# Altium PCB PCB1.PcbDoc (continued)
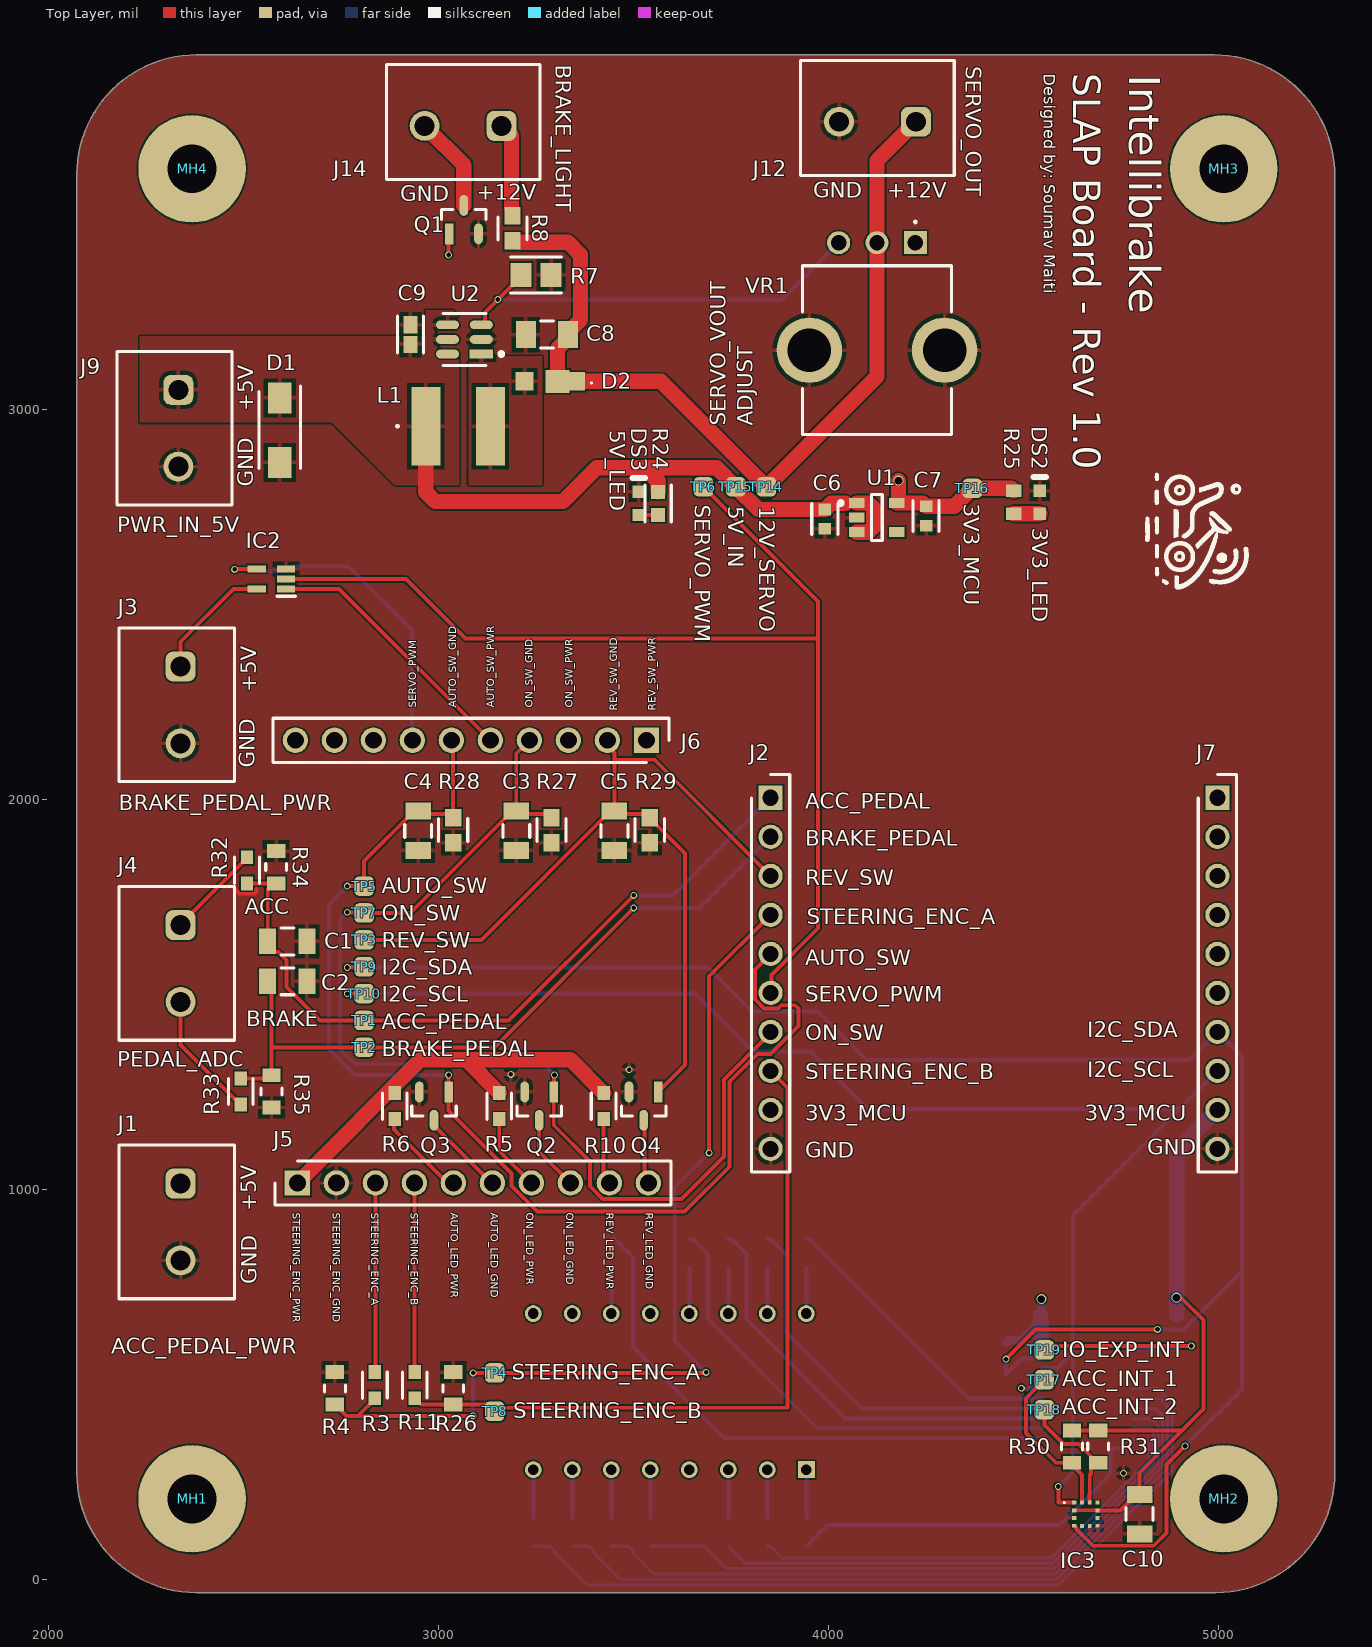
[diagram p0: Top Layer view]
## Footprints (in the part's own frame and the unit in brackets; to place one, negate y for a bottom-side part, rotate by r counter-clockwise, add the part's x,y. Pads: shape width x height; smd on the part's side, far side on the other; paste and mask are expansions set on the pad)
691137710002 [mm] "Horizontal Cable Entry with Pressure Clamp, pitch 5mm, 02p"
  rrect50% 1.95x1.95 hole 1.3: 1(-2.5,0.25)
  round 1.95 hole 1.3: 2(2.5,0.25)
  silkscreen extent -5,-3.75 5,3.75, body extent -5,-3.75 5,3.75, height 11.6
AVAG-HSMX-C190_V [mm] "SMD, 2-Leads, Body 1.6x0.8mm, Height 0.9mm"
  rect 0.8x0.8 smd: 1(-0.75,0) 2(0.75,0)
  silkscreen extent 1.65,-0.4 1.65,0.4, body extent -0.8,-0.4 0.8,0.4, height 0.9
DIOM5027X240N [mm]
  rect 2x1.55 smd: 1(-2.1,0) 2(2.1,0)
  silkscreen extent -2.88,-1.35 2.5,1.35, body extent -2.5,-1.35 2.5,1.35, height 2.4
DIPS1016W50P254L4020H725Q16N [mm]
  rect 1.1x1.1 hole 0.7: 1(0,0)
  round 1.1 hole 0.7: 2(0,-2.54) 3(0,-5.08) 4(0,-7.62) 5(0,-10.16) 6(0,-12.7) 7(0,-15.24) 8(0,-17.78) 9(10.16,-17.78) 10(10.16,-15.24) 11(10.16,-12.7) 12(10.16,-10.16) 13(10.16,-7.62) 14(10.16,-5.08) 15(10.16,-2.54) 16(10.16,0)
  silkscreen extent -1.45,-29.11 11.61,11.33, body extent -1.32,-28.99 11.48,11.21, height 7.12
FP-C1608-080-0_1-IPC_B [mil]
  rect 44.53x35.91 smd paste+0 mask+0: 1(-25.22,0) 2(25.22,0)
  silkscreen extent -47,-34 47,34, body extent -57,-28 57,28, height 10
FP-CL10-IPC_C [mil]
  rect 29.85x31.97 smd paste+0 mask+0: 1(-24.68,0) 2(24.68,0)
  silkscreen extent -40,-33 40,33, body extent -44,-22 44,22, height 10
FP-CL31-IPC_B [mil]
  rect 51.4x69.22 smd paste+0 mask+0: 1(-54.19,0) 2(54.19,0)
  silkscreen extent -17,-35 17,35, body extent -90,-44 90,44, height 10
FP-CL31-IPC_C [mil]
  rect 43.52x65.28 smd paste+0 mask+0: 1(-50.25,0) 2(50.25,0)
  silkscreen extent -17,-34 17,34, body extent -63,-31 63,31, height 55
FP-CRCW0603-e3-IPC_A [mil]
  rect 44.69x41.82 smd paste+0 mask+0: 1(-32.1,0) 2(32.1,0)
  silkscreen extent -30,-37 30,37, body extent -74,-41 74,41, height 10
FP-DBV0006A-IPC_B [mm]
  rect 1.505x0.57 smd paste+0 mask+0: 1(-1.1,0.95)
  rrect100% 1.505x0.57 smd paste+0 mask+0: 2(-1.1,0) 3(-1.1,-0.95) 4(1.1,-0.95) 5(1.1,0) 6(1.1,0.95)
  silkscreen extent -2.53,-1.7 1.4,1.7, body extent -2.1,-1.7 2.1,1.7, height 0.25
FP-RC1608-IPC_B [mil]
  rect 35.81x35.91 smd paste+0 mask+0: 1(-29.58,0) 2(29.58,0)
  silkscreen extent -47,-34 47,34, body extent -57,-28 57,28, height 10
FP-RG2012-IPC_A [mil]
  rect 53.34x61.27 smd paste+0 mask+0: 1(-38.41,0) 2(38.41,0)
  silkscreen extent -65,-46 65,46, body extent -85,-50 85,50, height 10
FP-RT0603-MFG [mm]
  rect 0.9x0.8 smd paste+0 mask+0: 1(-0.85,0) 2(0.85,0)
  silkscreen extent -0.85,-0.81 0.86,0.8, body extent -1.4,-0.55 1.4,0.55, height 0.25
FP-RT0805-MFG [mm]
  rect 0.9x1.2 smd paste+0 mask+0: 1(-1.05,0) 2(1.05,0)
  silkscreen extent -0.23,-0.67 0.23,0.67, body extent -1,-0.63 1,0.63, height 0.6
FP-SOT23-5LD-PL-1-MFG [mm]
  rect 1x0.66 smd paste+0 mask+0: 1(-1.3,0.95) 2(-1.3,0) 3(-1.3,-0.95) 4(1.3,-0.95) 5(1.3,0.95)
  silkscreen extent -2.47,-1.5 0.35,1.5, body extent -1.9,-1.6 1.9,1.6, height 0.25
FP-SOT23-IPC_B [mm]
  rect 1.355x0.562 smd paste+0 mask+0: 1(-0.925,0.95)
  rrect100% 1.355x0.562 smd paste+0 mask+0: 2(-0.925,-0.95) 3(0.925,0)
  silkscreen extent 0,-1.45 0.65,1.45, body extent -1.85,-1.7 1.85,1.7, height 0.25
HDRV10W64P0X254_1X10_2540X249X886P [mm]
  rect 1.65x1.65 hole 1.1: 1(0,0)
  round 1.65 hole 1.1: 2(-2.54,0) 3(-5.08,0) 4(-7.62,0) 5(-10.16,0) 6(-12.7,0) 7(-15.24,0) 8(-17.78,0) 9(-20.32,0) 10(-22.86,0)
  silkscreen extent -24.32,-1.44 1.46,1.44, body extent -24.13,-1.24 1.27,1.24, height 8.86
MC3479 [mm]
  rect 0.275x0.25 smd: 1(-0.762,0.75) 2(-0.762,0.25) 3(-0.762,-0.25) 4(-0.762,-0.75) 7(0.763,-0.75) 8(0.763,-0.25) 9(0.763,0.25) 10(0.763,0.75)
  rect 0.25x0.275 smd: 5(-0.25,-0.763) 6(0.25,-0.763) 11(0.25,0.762) 12(-0.25,0.762)
  silkscreen extent -1.45,0.7 -1.35,0.8, body extent -1,-1 1,1, height 0.99
"MOUNTING HOLE" [mm]
  round 7 hole 3.175: 4(0.127,0)
PMEG4010EXEX [mm]
  rect 1x1.2 smd: 1(-1.713,0)
  rect 1.15x1.2 smd: 2(1.713,0)
  rect 1.55x1.5 smd: 3(-0.437,0)
  silkscreen extent -2.7,0.05 -2.6,0.15, body extent -1.81,-0.89 1.89,0.89, height 0.9
PTV09A4030SA503 [mm]
  rect 1.5x1.5 hole 1: 1(0,0)
  round 1.5 hole 1: 2(2.5,0) 3(5,0)
  round 4.26 hole 2.84: MH1(-1.9,7) MH2(6.9,7)
  silkscreen extent -2.35,-1.4 7.35,12.5, body extent -3.22,-0.1 8.06,12.52, height 20.5
RESC1608X55X25ML10T15 [mm] "Chip Resistor, 2-Leads, Body 1.60x0.80mm, IPC Low Density"
  rect 0.8x1 smd: 1(-0.75,0) 2(0.75,0)
  body extent -0.85,-0.45 0.85,0.45, height 0.55
RESC2013X50X30NL20T20 [mm] "Chip Resistor, 2-Leads, Body 2.00x1.25mm, IPC Medium Density"
  rect 1.05x1.45 smd: 1(-0.925,0) 2(0.925,0)
  silkscreen extent -0.1,-0.63 0.1,0.63, body extent -1.1,-0.72 1.1,0.72, height 0.5
RHDR10W60P0X254_1X10_2590X250X850P [mm]
  rect 1.575x1.575 hole 1.05: 1(0,0)
  round 1.575 hole 1.05: 2(2.54,0) 3(5.08,0) 4(7.62,0) 5(10.16,0) 6(12.7,0) 7(15.24,0) 8(17.78,0) 9(20.32,0) 10(22.86,0)
  silkscreen extent -1.52,-1.25 24.38,1.25, body extent -1.52,-1.25 24.38,1.25, height 8.5
SOP65P640X120-24N [mm]
  rect 1.475x0.45 smd: 1(-2.938,3.575) 2(-2.938,2.925) 3(-2.938,2.275) 4(-2.938,1.625) 5(-2.938,0.975) 6(-2.938,0.325) 7(-2.938,-0.325) 8(-2.938,-0.975) 9(-2.938,-1.625) 10(-2.938,-2.275) 11(-2.938,-2.925) 12(-2.938,-3.575) 13(2.938,-3.575) 14(2.938,-2.925) 15(2.938,-2.275) 16(2.938,-1.625) 17(2.938,-0.975) 18(2.938,-0.325) 19(2.938,0.325) 20(2.938,0.975) 21(2.938,1.625) 22(2.938,2.275) 23(2.938,2.925) 24(2.938,3.575)
  silkscreen extent -3.67,-3.9 1.85,4.15, body extent -3.2,-3.9 3.2,3.9, height 1.13
SOT65P210X110-5N [mm]
  rect 1.2x0.45 smd: 1(-0.95,0.65) 2(-0.95,0) 3(-0.95,-0.65) 4(0.95,-0.65) 5(0.95,0.65)
  silkscreen extent -1.55,1.12 -0.35,1.12, body extent -1.05,-1 1.05,1, height 1
TESTPOINT [mil]
  rrect50% 50x50 smd: 0(0,0)
VLS6045 [mm]
  rect 1.9x5.1 smd: 1(-2.1,0) 2(2.1,0)
  silkscreen extent -4,-0.05 -3.9,0.05, body extent -3,-3 3,3, height 4.5

## Part data
C1 C2 C3 C4 C5 C10: library part CMP-13271-001276-1, "Cap Ceramic 100nF 50V X7R ±10% SMD 1206 +125°C Embossed T/R", Capacitance=100nF, Case Code (Imperial)=1206, Case Code (Metric)=3216, Dielectric=X7R, Max Operating Temperature=125°C, Min Operating Temperature=-55°C, Package Quantity=1, Tolerance=10%, Voltage Rating=50V, Case/Package=1206, Depth=1.6mm, Height=0.85mm, Length=0.126inch, Mount="Surface Mount", Packaging="Tape and Reel", Radiation Hardening=No, Thickness=0.037inch, Width=0.063inch
C6 C7: library part CMP-13271-003399-1, "Cap Ceramic 1uF 10V X5R ±10% Pad SMD 0603 +85°C T/R", Case Code (Imperial)=0603, Case Code (Metric)=1608, Dielectric=X5R, Max Operating Temperature=85°C, Min Operating Temperature=-55°C, Package Quantity=1, Tolerance=10%, Voltage=10V, Capacitance=1uF, Case/Package=0603, Contact Plating=Tin, Depth=0.8mm, Height=0.8mm, Length=1.6mm, Mount="Surface Mount", Packaging="Tape and Reel", Radiation Hardening=No, Thickness=0.035inch, Voltage Rating=10V, Width=0.031inch
C8: library part CMP-13271-001434-1, "Cap Ceramic 10uF 25V X7R ±10% SMD 1206 +125°C Embossed T/R", Capacitance=10uF, Case Code (Imperial)=1206, Case Code (Metric)=3216, Dielectric=X7R, Max Operating Temperature=125°C, Min Operating Temperature=-55°C, Package Quantity=1, Tolerance=10%, Voltage Rating=25V, Case/Package=1206, Contact Plating=Tin, Depth=1.6mm, Height=1.6mm, Length=0.126inch, Mount="Surface Mount", Packaging="Tape and Reel", Radiation Hardening=No, Thickness=0.071inch, Width=0.063inch
C9: library part CMP-2000-06025-2, "Multilayer Ceramic Capacitors 1μF ±10% 50V X5R SMD 0603", Capacitance=1uF, Case Code (Imperial)=0603, Case Code (Metric)=1608, Dielectric=X5R, Dielectric Material=Ceramic, Max Operating Temperature=85°C, Min Operating Temperature=-55°C, Package Quantity=1, Tolerance=10%, Voltage=50V, Case/Package=0603, Construction=Flat, Depth=0.8mm, Height=0.8mm, Lead Free="Lead Free", Length=1.6mm, Mount="Surface Mount", Number of Pins=2, Packaging="Tape and Reel", Radiation Hardening=No, REACH SVHC="No SVHC", Resistor Type=Ceramic, RoHS Compliant=Yes, Series=C, Termination=SMD/SMT, Thickness=0.035inch, Voltage Rating=50V, Voltage Rating (DC)=50V, Weight=7.1E-05oz, Width=0.031inch
D1: "TVS Diode (Uni-directional)", Manufacturer_Name=Diotec, Datasheet Link=https://diotec.com/request/datasheet/p4smaj65.pdf, Height=2.4mm, Manufacturer_Part_Number=P4SMAJ170A
D2: "Schottky Diode", Manufacturer_Name=Nexperia, Mouser Part Number=771-PMEG3020EXE-Q, Datasheet Link=https://assets.nexperia.com/documents/data-sheet/PMEG4010EXE.pdf, Height=1mm, Manufacturer_Part_Number=PMEG3020EXE-QX, Mouser Price/Stock=https://www.mouser.co.uk/ProductDetail/Nexperia/PMEG3020EXE-QX?qs=dbcCsuKDzFVlrH7wpIOIMQ%3D%3D
DS1: "Display", Manufacturer_Name=Vishay, Mouser Part Number=78-TDCR1060M, Datasheet Link=https://www.vishay.com/docs/83180/tdcx10x0m.pdf, Height=7.25mm, Manufacturer_Part_Number=TDCR1060M, Mouser Price/Stock=https://www.mouser.co.uk/ProductDetail/Vishay-Semiconductors/TDCR1060M?qs=RzxYCzJDjPUXs69EkIPw9Q%3D%3D
DS2 DS3: library part CMP-1744-00003-1, "LED Uni-Color Yellow, 65 mW, 20 mA, -40 to 85 degC, 2-Pin SMD, RoHS, Tape and Reel", Case Code (Imperial)=0603, Case Code (Metric)=1608, Max Operating Temperature="155 degC", Min Operating Temperature="-55 degC", Package Quantity=5000, Power Rating="100 mW", Resistance="390 Ohm", Tolerance=1%, Voltage Rating="50 V", Case\Package=0603, ComponentLink1Description="Manufacturer URL", ComponentLink1URL=http://www.avagotech.com/, ComponentLink2Description=Datasheet, ComponentLink2URL=http://docs.avagotech.com/docs/AV02-0551EN, ComponentLink3Description="Package Specification", ComponentLink3URL=http://www.fairchildsemi.com/dwg/MA/MA03D.pdf, DatasheetVersion=Mar-12, Height="0.45 mm", Length="1.6 mm", Mount="Surface Mount", PackageDescription="2-Pin Surface Mount Device, Body 1.6 x 0.8 mm, Height 0.9 mm", PackageReference=HSMX-C190, Packaging="Tape and Reel", Pins=2, REACH SVHC="No SVHC", RoHSCompliant=true, Voltage Rating (DC)="50 V", Width="0.8 mm"
IC1: "Integrated Circuit", Manufacturer_Name="Texas Instruments", Mouser Part Number=595-TCA9555PWR, Arrow Part Number=TCA9555PWR, Arrow Price/Stock=https://www.arrow.com/en/products/tca9555pwr/texas-instruments?region=nac, Datasheet Link=https://www.ti.com/lit/gpn/TCA9555, Height=1.2mm, Manufacturer_Part_Number=TCA9555PWR, Mouser Price/Stock=https://www.mouser.co.uk/ProductDetail/Texas-Instruments/TCA9555PWR?qs=O3wcJz4o8IeDwg4St4nEYQ%3D%3D
IC2: "Integrated Circuit", Manufacturer_Name="Texas Instruments", Mouser Part Number=595-SN74LXC1T14DCKR, Arrow Part Number=SN74LXC1T14DCKR, Arrow Price/Stock=https://www.arrow.com/en/products/sn74lxc1t14dckr/texas-instruments?region=nac, Datasheet Link=https://www.ti.com/lit/gpn/sn74lxc1t14, Height=1.1mm, Manufacturer_Part_Number=SN74LXC1T14DCKR, Mouser Price/Stock=https://www.mouser.co.uk/ProductDetail/Texas-Instruments/SN74LXC1T14DCKR?qs=tlsG%2FOw5FFhO0IEgLqYGiw%3D%3D
IC3: "Integrated Circuit", Manufacturer_Name=MEMSIC, Mouser Part Number=498-MC3479, Arrow Part Number=MC3479, Arrow Price/Stock=null?region=nac, Datasheet Link=http://www.memsic.com/uploadfiles/2020/08/20200827164636363.pdf, Height=1mm, Manufacturer_Part_Number=MC3479, Mouser Price/Stock=https://www.mouser.co.uk/ProductDetail/MEMSIC/MC3479?qs=OlC7AqGiEDmYmlaMvA9fTA%3D%3D
J1 J3 J4 J9 J12 J14: library part CMP-1502-03324-2, Current Rating=16A, Max Operating Temperature=120°C, Min Operating Temperature=-30°C, Voltage Rating=300V, Contact Material="Nickel, Tin", Height=11.6mm, Lead Pitch=5mm, NexarPartId=78871135, Number Of Contacts=2, Number of Pins=2, Number Of Rows=1, Packaging=Box, RoHS=Non-Compliant
J2 J7: "Connector", Manufacturer_Name="Wurth Elektronik", Mouser Part Number=710-61301011821, Datasheet Link=http://katalog.we-online.de/em/datasheet/6130xx11821.pdf, Height=8.5mm, Manufacturer_Part_Number=61301011821, Mouser Price/Stock=https://www.mouser.co.uk/ProductDetail/Wurth-Elektronik/61301011821?qs=W%252B2sBeLta1ZhlLR0YCzonQ%3D%3D
J5 J6: "Connector", Manufacturer_Name="Adam Tech", Mouser Part Number=737-PH1-10-UA, Arrow Part Number=PH1-10-UA, Arrow Price/Stock=null?utm_currency=USD&region=nac, Datasheet Link=https://app.adam-tech.com/products/download/data_sheet/201605/ph1-xx-ua-data-sheet.pdf, Height=8.865mm, Manufacturer_Part_Number=PH1-10-UA, Mouser Price/Stock=https://www.mouser.co.uk/ProductDetail/Adam-Tech/PH1-10-UA?qs=ogqIPVdloe%252Bff9mnAAAy9w%3D%3D
L1: library part VLS6045EX-6R8M, "Inductor", Manufacturer_Name=TDK, Mouser Part Number=810-VLS6045EX-6R8M, Arrow Part Number=VLS6045EX-6R8M, Arrow Price/Stock=https://www.arrow.com/en/products/vls6045ex-6r8m/tdk?utm_currency=USD&region=nac, Datasheet Link=https://product.tdk.com/system/files/dam/doc/product/inductor/inductor/smd/catalog/inductor_commercial_power_vls6045ex_en.pdf, Manufacturer_Part_Number=VLS6045EX-6R8M, Mouser Price/Stock=https://www.mouser.co.uk/ProductDetail/TDK/VLS6045EX-6R8M?qs=LtAzLad%252BoeXmJR68%2FnJvXA%3D%3D
Q1 Q2 Q3 Q4: library part CMP-14409-000026-2, "2N7002NXAK/SOT23/TO-236AB"
R1 R2 R9 R30 R31: library part CMP-03412-019393-1, "RES SMD 4.7K OHM 1% 1/8W 0805", Manufacturer=Yageo, Manufacturer Part Number=RT0805FRE074K7L, Package=RT0805, Power Rating=0.125W, Resistance=4.7KΩ, Temperature="-55°C to +155°C", Temperature Coefficient="50 ppm/°C", Temperature Range High=+155°C, Temperature Range Low=-55°C, Tolerance=0.0001, Voltage Rating=150V, Automotive=No, Category=Res, ComponentLink2Description=Datasheet, ComponentLink2URL=http://www.yageo.com/documents/recent/PYu-RT_1-to-0.01_RoHS_L_9.pdf, Composition="Thin Film", Device Class L1="Passive Components", Device Class L2=Resistors, Device Class L3="Chip SMD Resistors", Digikey Description="RES SMD 4.7K OHM 1% 1/8W 0805", Footprint Url=http://www.yageo.com/exep/pages/download/literatures/PYu-R_Mount_10.pdf, Height=0.6mm, Ipc Land Pattern Name=RESC200125X50, Lead Free=Yes, Mouser Description="Thin Film Resistors - SMD 1/8W 4.7K ohm 1% 50ppm", Octopart=https://octopart.com/rt0805fre074k7l-yageo-40047233, RoHS=TRUE, Series=RT
R3 R11 R32 R33: library part CMP-2000-04517-2, "RES SMD 10K OHM 0.1% 1/10W 0603", Manufacturer=Yageo, Manufacturer Part Number=RT0603BRE0710KL, Package=RT0603, Power Rating=0.1W, Resistance=10KΩ, Temperature="-55°C to +155°C", Temperature Coefficient="50 ppm/°C", Temperature Range High=+155°C, Temperature Range Low=-55°C, Tolerance=0.001, Voltage Rating=75V, Automotive=No, Category=Res, ComponentLink2Description=Datasheet, ComponentLink2URL=http://www.yageo.com/documents/recent/PYu-RT_1-to-0.01_RoHS_L_9.pdf, Composition="Thin Film", Device Class L1="Passive Components", Device Class L2=Resistors, Device Class L3="Chip SMD Resistors", Digikey Description="RES SMD 10K OHM 0.1% 1/10W 0603", Footprint Url=http://www.yageo.com/exep/pages/download/literatures/PYu-R_Mount_10.pdf, Height=0.55mm, Ipc Land Pattern Name=RESC16080X45, Lead Free=Yes, Mouser Description="Res Thin Film 0603 10K Ohm 0.1% 1/10W ±50ppm/°C Molded SMD SMD Paper T/R", Octopart=https://octopart.com/rt0603bre0710kl-yageo-1273959, RoHS=TRUE, Series=RT
R4 R26 R34 R35: library part CMP-2001-01463-2, "RES SMD 20K OHM 1% 1/8W 0805", Manufacturer=Yageo, Manufacturer Part Number=RT0805FRE0720KL, Package=RT0805, Power Rating=0.125W, Resistance=20KΩ, Temperature="-55°C to +155°C", Temperature Coefficient="50 ppm/°C", Temperature Range High=+155°C, Temperature Range Low=-55°C, Tolerance=0.0001, Voltage Rating=150V, Automotive=No, Category=Res, ComponentLink2Description=Datasheet, ComponentLink2URL=http://www.yageo.com/documents/recent/PYu-RT_1-to-0.01_RoHS_L_9.pdf, Composition="Thin Film", Device Class L1="Passive Components", Device Class L2=Resistors, Device Class L3="Chip SMD Resistors", Digikey Description="RES SMD 20K OHM 1% 1/8W 0805", Footprint Url=http://www.yageo.com/exep/pages/download/literatures/PYu-R_Mount_10.pdf, Height=0.6mm, Ipc Land Pattern Name=RESC200125X50, Lead Free=Yes, Mouser Description="Thin Film Resistors - SMD 1/8W 20K ohm 1% 50ppm", Octopart=https://octopart.com/rt0805fre0720kl-yageo-1410620, RoHS=TRUE, Series=RT
R5 R6 R10: library part CMP-03412-008371-1, "RES SMD 150 OHM 1% 1/10W 0603", Manufacturer=Yageo, Manufacturer Part Number=RT0603FRE07150RL, Package=RT0603, Power Rating=0.1W, Temperature="-55°C to +155°C", Temperature Coefficient="50 ppm/°C", Temperature Range High=+155°C, Temperature Range Low=-55°C, Tolerance=0.01, Voltage Rating=75V, Automotive=No, Category=Res, ComponentLink2Description=Datasheet, ComponentLink2URL=http://www.yageo.com/documents/recent/PYu-RT_1-to-0.01_RoHS_L_9.pdf, Composition="Thin Film", Device Class L1="Passive Components", Device Class L2=Resistors, Device Class L3="Chip SMD Resistors", Digikey Description="RES SMD 150 OHM 1% 1/10W 0603", Footprint Url=http://www.yageo.com/exep/pages/download/literatures/PYu-R_Mount_10.pdf, Height=0.55mm, Ipc Land Pattern Name=RESC16080X45, Lead Free=Yes, Mouser Description="Thin Film Resistors - SMD 1/10W 150 ohm 1% 50ppm", Octopart=https://octopart.com/rt0603fre07150rl-yageo-39804552, Resistance=150Ω, RoHS=TRUE, Series=RT
R7: library part CMP-2001-02900-2, "Automotive Metal Thin Film Chip Resistor, 0805, 3kΩ, 0.1%, 25ppm/°C, 0.125W, 150V", Case Code (Imperial)=0805, Case Code (Metric)=2012, Max Operating Temperature=155°C, Max Power Dissipation=125mW, Min Operating Temperature=-55°C, Package Quantity=1, Power Rating=100mW, Resistance=3kR, Resistor Type="Thin Film", Temperature Coefficient=25ppm/°C, Tolerance=0.1%, Voltage Rating=100V, Voltage Rating (DC)=150V, Case/Package=0805, Features="Automotive AEC-Q200", Height=0.02inch, Lead Free="Lead Free", Length=0.079inch, Number of Terminations=2, Packaging="Tape and Reel", RoHS Compliant=Yes, Series=RG, Size Code=0805, Termination=SMD/SMT, Width=1.25mm
R8 R27 R28 R29: library part CMP-2000-02995-2, "RES Thick Film, 1.5kΩ, 1%, 0.1W, 100ppm/°C, 0603", Case Code (Imperial)=0603, Case Code (Metric)=1608, Max Operating Temperature=155°C, Max Power Dissipation=100mW, Min Operating Temperature=-55°C, Package Quantity=10, Resistance=1.5kR, Temperature Coefficient=100ppm/°C, Tolerance=1%, Voltage Rating=75V, Case/Package=0603, Composition="Thick Film", Contact Plating=Tin, Depth=0.85mm, Features="Automotive AEC-Q200", Height=0.45mm, Lead Free="Lead Free", Length=1.55mm, Military Standard=Not, Mount="Surface Mount", Number of Terminations=2, Packaging="Tape and Reel", Power Rating=100mW, Termination=SMD/SMT, Voltage Rating (DC)=75V, Weight=7.1E-05oz, Width=0.033inch, Working Voltage=75V
R12 R13 R14 R15 R16 R17 R18 R19 R20 R21 R22 R23: library part CMP-2001-03914-1, Manufacturer="Vishay Dale", Part Number=CRCW0805432RFKEA
R24: library part CMP-13261-004935-1, "Res Thick Film 0603 1.5kΩ 1% 0.1W ±100ppm/°C Molded SMD T/R", Case/Package=0603, Max Operating Temperature=155°C, Min Operating Temperature=-55°C, Power Rating=100mW, Resistance=1.5kR, Temperature Coefficient=100ppm/°C, Tolerance=1%, Voltage Rating (DC)=50V, Composition="Thick Film", Contact Plating=Tin, Depth=0.8mm, Lead Free="Lead Free", Length=1.6mm, Military Standard=Not, Packaging="Tape and Reel", Radiation Hardening=No, Width=800um
R25: library part CMP-2000-04089-1, Manufacturer=Yageo, Part Number=RC0603FR-07590RL
TP1 TP2 TP3 TP4 TP5 TP6 TP7 TP8 TP9 TP10 TP14 TP15 TP16 TP17 TP18 TP19: library part Testpoint
U1: library part CMP-2000-07604-2, "IC REG LINEAR 3.3V 300MA SOT23-5", Case/Package=SOT-23-5, Dropout Voltage=380mV, Max Input Voltage=5.5V, Max Operating Temperature=125°C, Max Output Current=300mA, Min Input Voltage=2.5V, Min Operating Temperature=-40°C, Nominal Output Voltage=3.3V, Operating Supply Current=42uA, Power Supply Rejection Ratio (PSRR)=60dB, Quiescent Current=38uA, Accuracy=3%, Height=1.1mm, Length=2.9mm, Mount="Surface Mount", Number of Outputs=1, Number of Pins=5, Output Current=300mA, Output Type=Fixed, Output Voltage=3.3V, Packaging="Tape and Reel", REACH SVHC="No SVHC", Width=1.6mm
U2: library part CMP-04918-000262-1, "IC REG BOOST ADJ SOT23-6"
VR1: library part PTV09A-4030S-A503, "Variable Resistor", Manufacturer_Name=Bourns, Mouser Part Number=652-PTV09A-4030SA503, Datasheet Link=https://www.bourns.com/docs/Product-Datasheets/PTV09.pdf, Height=30.5mm, Manufacturer_Part_Number=PTV09A-4030S-A503, Mouser Price/Stock=https://www.mouser.co.uk/ProductDetail/Bourns/PTV09A-4030S-A503?qs=pxDZlBjcsCjgtyjThPtRRg%3D%3D

## Via types
v1: diameter 17.72, hole 11.81, Top Layer to Bottom Layer, tented both sides, 24 vias
v2: diameter 25.59, hole 19.68, Top Layer to Bottom Layer, tented both sides, 3 vias

## Nets (pads, with @x,y where several pads share a name; then routed paths per layer and width w, separated by ;. In a path a pad name is that pad's centre, name@x,y a point inside that pad or via, vN(x,y) a via of type N, cw(c..) or ccw(c..) an arc to the next point about the centre after c; other vN are vias at no path point)
ACC_INT_1: IC3.12 R30.1 TP17.0 | length 421.2
  Top Layer w10: TP17.0 4505.16,465.32 4505.16,376.73 4581.93,299.96 4629.17,299.96 4629.17,288.15 4648.7,268.62 IC3.12@4648.7,198.07
ACC_INT_2: IC3.11 R31.2 TP18.0 | length 323.9
  Top Layer w10: TP18.0 4552.4,396.42 4601,347.82 4640.37,347.82 R31.2@4684.29,303.9 ; IC3.11 4668.54,219.57 4668.78,219.8 4668.78,268.7 4671.57,271.5 4671.57,287.25 4684.29,299.96 R31.2
ACC_PEDAL: C1.1 J2.1 R32.1 R34.2 TP1.0 | length 1886.5
  Top Layer w10: R32.1 R34.2@2576.77,1785.43 ; R34.2 R34.2@2576.77,1785.43 ; v1(3499.61,1754.69) 3481.81,1736.89 3178.74,1433.82 TP1.0 2695.06,1433.82 2609.48,1519.4 2609.48,1588.3 2588.85,1608.93 2577.97,1608.93 2561.21,1625.7 C1.1 2561.21,1769.87 R34.2@2576.77,1785.43
  Bottom Layer w10: v1(3499.61,1754.69) 3600.36,1754.69 J2.1
ACC_PEDAL_5V: J4.1 R32.2 | length 244.3
  Top Layer w10: J4.1 2337.83,1680.35 2507.87,1850.39 R32.2
"AUTO/ \M\A\N\": C4.1 J2.5 J6.6 Q3.1 R28.2 TP5.0 | length 3112.2
  Top Layer w10: v1(2765,1778.31) TP5.0 2808.31,1842.59 2936.01,1970.29 C4.1 2953.83,1963.35 3027.27,1963.35 R28.2 3036.65,2147.72 J6.6 ; v1(3024.84,1294.06) Q3.1 3024.84,1203.05 3186.26,1041.63 3186.26,1009.54 3252.13,943.66 3629.92,943.66 3745.18,1058.92 3745.18,1276.65 3816.62,1348.09 3850.25,1348.09 3921.69,1419.54 3921.69,1464.71 3913.53,1472.87 3877.73,1472.87 3869.64,1464.78 3833.85,1464.78 3810.45,1488.18 3810.45,1564.78 J2.5
  Bottom Layer w10: v1(2765,1778.31) 2717.76,1731.06 2717.76,1360.99 2784.68,1294.06 v1(3024.84,1294.06)
"AUTO/ \M\A\N\_LED": J5.6 Q3.3 | length 223.9
  Top Layer w10: Q3.3 2987.44,1164.6 3134.76,1017.28 J5.6
"AUTO/ \M\A\N\_LED_PWR": J5.5 R6.2 | length 235.9
  Top Layer w10: R6.2 2885.38,1179.18 2885.38,1153.99 3011.57,1027.8 3026.57,1027.8 J5.5
BRAKE_LED: IC1.20 Q1.1 | length 4891.3
  Top Layer w10: v1(3024.84,3396.42) 3024.84,3448.56 Q1.1
  Power w10: v1(3024.84,3396.42) 3875.24,3396.42 5115.39,2156.26 5115.39,675.95 4930.35,490.91 v1(4493.35,490.91)
  Bottom Layer w10: v1(4493.35,490.91) 4493.46,490.79 4546.3,490.79 IC1.20
BRAKE_LIGHT: J14.1 R8.1 | length 219
  Top Layer w39.37: J14.1 3186.26,3701.69 3186.26,3519.07
BRAKE_PEDAL: C2.1 J2.2 R33.1 R35.2 TP2.0 | length 1821.3
  Top Layer w10: R33.1 2562.99,1285.43 R35.2 2570.87,1370.08 ; C2.1@2561.21,1523.33 2570.87,1513.67 2570.87,1370.08 ; v1(3499.61,1722.42) 3142.11,1364.92 2576.02,1364.92 2570.87,1370.08
  Bottom Layer w10: v1(3499.61,1722.42) 3668.09,1722.42 J2.2
BRAKE_PEDAL_5V: J4.2 R33.2 | length 324.8
  Top Layer w10: J4.2 2337.83,1370.83 2477.44,1231.22 2481.38,1231.22 2487.5,1225.1 R33.2@2487.5,1221.16
GND: C1.2 C2.2 C3.2 C4.2 C5.2 C6.2 C7.2 C8.2 C9.1 C10.2 D1.2 DS2.2 DS3.2 IC1.2 IC1.3 IC1.12 IC1.21 IC2.3 IC3.3 IC3.6 IC3.7 J1.2 J2.10 J3.2 J5.2 J7.10 J9.2 J12.2 Q1.2 Q2.2 Q3.2 Q4.2 R4.1 R7.1 R26.1 R27.1 R28.1 R29.1 R34.1 R35.1 U1.2 U2.2 VR1.MH1 VR1.MH2 | length 71.6
  Top Layer w10: 2476.38,1771.65 2483.19,1764.84 2483.19,1764.01 2488.42,1758.78 2527.32,1758.78 2532.56,1764.01 2532.56,1771.5
  other v1: 4755.16,273.08 3184.59,1295.73 3487.74,1307.54
I2C_SCL: IC1.22 IC3.1 J7.8 R2.1 TP10.0 | length 3709.3
  Top Layer w10: v1(2765,1502.72) TP10.0 ; v1(4587.83,238.94) 4588.29,238.49 4588.29,198.15 4588.37,198.07 IC3.1@4628.7,198.07
  Bottom Layer w10: v1(2765,1502.72) 3656.65,1502.72 3805.04,1354.33 3952.76,1354.33 4100.39,1206.69 4887.8,1206.69 4888.77,1207.67 4897.06,1207.67 4898.03,1206.69 ; IC1.22 4547.35,542.78 4584.59,542.78 4623.27,581.46 ; v1(4587.83,238.94) 4625.24,276.34 R2.1 4625.24,933.9 4898.03,1206.69 ; J7.8 4898.03,1206.69
I2C_SDA: IC1.23 IC3.4 J7.7 R1.1 TP9.0 | length 4921.7
  Top Layer w10: v1(2765,1569.65) 2765.98,1570.63 2807.32,1570.63 TP9.0 ; v1(4453.98,565.71) 4530,641.73 v1(4842.52,641.73) ; IC3.4 4629.03,138.54 4635,132.58 4635,128.92 4676.79,87.12 4832.84,87.12 4865.35,119.64 4865.35,295.39 v1(4912.93,342.97)
  Bottom Layer w10: v1(2765,1569.65) 3689.72,1569.65 3802.68,1456.69 3972.44,1456.69 4096.46,1332.68 4924.02,1332.68 J7.7 5059.06,1341.73 5059.06,791.62 ; R1.1@4452.41,525.94 R1.1@4453.98,527.5 ; R1.1 R1.1@4453.98,527.5 ; v1@4455.45,567.19 v1(4453.98,565.71) R1.1@4453.98,527.5 ; IC1.23 4493.92,567.44 R1.1@4453.98,527.5 ; v1(4842.52,641.73) 4909.17,641.73 5059.06,791.62 ; v1@4913.39,342.52 5059.06,488.19 5059.06,791.62
IO_EXP_INT: IC1.1 R9.1 TP19.0 | length 536.9
  Top Layer w10: TP19.0 4562.45,599.39 v1(4929.37,599.39)
  Bottom Layer w10: IC1.1 4889.17,593.03 R9.1@4890.98,594.84 ; R9.1 R9.1@4890.98,594.84 ; v1(4929.37,599.39) 4895.52,599.39 R9.1@4890.98,594.84
LED_A: IC1.17 R16.2 | length 1092.6
  Bottom Layer w10: R16.2 3749.96,873.7 3788.62,835.04 3788.62,668.07 4042.79,413.9 IC1.17
LED_B: IC1.19 R12.2 | length 773.6
  Bottom Layer w10: R12.2 3949.96,873.7 4358.58,465.08 IC1.19
LED_C: IC1.16 R18.2 | length 1202.3
  Bottom Layer w10: R18.2 3649.96,873.7 3690.2,833.47 3690.2,668.07 3969.96,388.31 IC1.16
LED_D: IC1.9 R17.1 | length 1354.4
  Bottom Layer w7.87: R17.1 3785.63,42.32 4574.27,42.32 4831.93,299.98 4831.93,383.7 4827.32,388.31 IC1.9
LED_D1: IC1.11 R13.1 | length 975.4
  Bottom Layer w10: R13.1 3996.73,140.51 4591.77,140.51 4721.69,270.43 4721.69,331.27 4727.55,337.13 IC1.11
LED_D2: IC1.10 R15.1 | length 1187.9
  Bottom Layer w7.87: R15.1 3849.96,85.87 3879.57,56.26 4571.51,56.26 4820.12,304.87 4820.12,353.18 4815.5,357.8 4782.68,357.8 IC1.10
LED_D3: IC1.7 R20.1 | length 1776.1
  Bottom Layer w7.87: R20.1 3485.63,85.87 3497.73,73.76 3497.73,68.37 3551.65,14.45 4579.81,14.45 4855.55,290.19 4855.55,420.04 4836.1,439.49 IC1.7
LED_D4: IC1.5 R23.1 | length 2095
  Bottom Layer w7.87: R23.1 3285.63,85.87 3297.73,73.76 3297.73,68.37 3379.53,-13.42 4587.44,-13.42 4879.17,278.31 4879.17,454.8 4843.3,490.67 IC1.5
LED_DEC: IC1.6 R22.1 | length 1940.5
  Bottom Layer w7.87: R22.1 3385.63,85.87 3397.73,73.76 3397.73,68.37 3465.59,0.51 4582.57,0.51 4867.36,285.3 4867.36,446.9 4849.18,465.08 IC1.6
LED_E: IC1.8 R19.1 | length 1609.3
  Bottom Layer w7.87: R19.1 3680.23,85.87 3737.71,28.39 4577.04,28.39 4843.74,295.09 4843.74,394.34 4825.56,412.52 4779.13,412.52 IC1.8
LED_F: IC1.15 R21.2 | length 1450.2
  Bottom Layer w10: R21.2 3449.96,873.7 3497.28,826.38 3497.28,597.21 3731.77,362.72 IC1.15
LED_G: IC1.18 R14.2 | length 1001.4
  Bottom Layer w10: R14.2 3849.96,873.7 3890.98,832.68 3890.98,632.64 4084.13,439.49 IC1.18
MCU_3V3: C7.1 C10.1 IC1.24 IC2.1 IC3.2 IC3.9 J2.9 J6.1 J6.3 J6.5 J7.9 R1.2 R2.2 R9.2 R25.2 R30.2 R31.1 TP16.0 U1.5 | length 7048.6
  Top Layer w10: IC2.1 2744.17,2540.2 J6.5 ; R30.2 R31.1 4904.76,382.64 ; IC3.2@4628.7,178.07 4688.25,178.07 4688.4,177.91 IC3.9 4747.28,177.91 4768.85,199.48 4768.85,201.56 4785.61,218.32 C10.1 4796.5,274.37 4904.76,382.64 ; v2(4890.98,723.19) 4893.97,720.21 4905.78,720.21 4959.96,666.02 4959.96,437.84 4904.76,382.64
  Top Layer w39.37: v2(4178.38,2817.68) 4178.38,2764.92 U1.5 4240.43,2760.63 C7.1 4321.18,2751.81 TP16.0 4467.75,2797.99 R25.2
  Power w39.37: J6.5 3139.01,2152.28 3195.11,2208.39 3269.06,2208.39 ; J6.3 3325.16,2152.28 3269.06,2208.39 ; v2(4178.38,2817.68) 4178.38,2660.2 3670.47,2152.28 J6.1 ; v2(4544.53,719.25) 4548.46,723.19 v2(4890.98,723.19) ; J7.9@4997.28,1207.28 3852.09,1207.28 3532.09,1527.28 J6.1 ; 3269.06,2208.39 3475.98,2208.39 J6.1
  Bottom Layer w19.68: R1.2 4460.09,613.16 4491.59,613.16 4528.78,650.36 4534.68,650.36 4542.56,658.23 R2.2 ; 4543.4,690.56 4543.4,718.12 v2(4544.53,719.25)
  Bottom Layer w39.37: R2.2 R2.2@4542.56,677.91 ; 4544.49,603.86 R2.2@4544.49,660.2 ; R9.2 4892.09,1102.09 J7.9@4997.28,1207.28
NetD2_2: D2.2 L1.2 U2.1
NetDS1_1: DS1.1 R13.2 | length 123.6
  Bottom Layer w10: R13.2 DS1.1
NetDS1_2: DS1.2 R15.2 | length 123.6
  Bottom Layer w10: R15.2 DS1.2
NetDS1_3: DS1.3 R17.2 | length 123.6
  Bottom Layer w10: R17.2 DS1.3
NetDS1_5: DS1.5 R19.2 | length 123.6
  Bottom Layer w10: R19.2 DS1.5
NetDS1_6: DS1.6 R20.2 | length 123.6
  Bottom Layer w10: R20.2 DS1.6
NetDS1_7: DS1.7 R22.2 | length 123.6
  Bottom Layer w10: R22.2 DS1.7
NetDS1_8: DS1.8 R23.2 | length 123.6
  Bottom Layer w10: R23.2 DS1.8
NetDS1_11: DS1.11 R21.1 | length 118.6
  Bottom Layer w10: DS1.11 R21.1
NetDS1_13: DS1.13 R18.1 | length 118.6
  Bottom Layer w10: DS1.13 R18.1
NetDS1_14: DS1.14 R16.1 | length 118.6
  Bottom Layer w10: DS1.14 R16.1
NetDS1_15: DS1.15 R14.1 | length 118.6
  Bottom Layer w10: DS1.15 R14.1
NetDS1_16: DS1.16 R12.1 | length 118.6
  Bottom Layer w10: DS1.16 R12.1
NetDS2_1: DS2.1 R25.1 | length 66.9
  Top Layer w39.37: R25.1 DS2.1
NetDS3_1: DS3.1 R24.1 | length 50
  Top Layer w10: DS3.1 3561.92,2730.04 R24.1
NetIC2_4: IC2.4 J6.7 | length 870.2
  Top Layer w10: v1(2476.38,2590.55) 2476.79,2590.96 2532.89,2590.96 IC2.4
  Bottom Layer w10: v1(2476.38,2590.55) 2544.11,2590.55 2549.03,2585.63 2614.68,2585.63 2627.47,2598.43 2767.72,2598.43 2931.22,2434.92 2931.22,2153.15 J6.7
NetJ14_2: J14.2 Q1.3 | length 245.7
  Top Layer w39.37: J14.2 3064.21,3626.89 Q1.3
NetR7_2: R7.2 U2.3 VR1.3 | length 1105.5
  Top Layer w10: U2.3 3110.22,3217.28 3118.68,3225.75 3118.68,3249.12 3210.84,3341.27 R7.2
  Bottom Layer w10: v1(3150.83,3282.25) 3879.17,3282.25 VR1.3
"ON/ \O\F\F\": C3.1 J2.7 J6.4 Q2.1 R27.2 TP7.0 | length 2866.7
  Top Layer w10: v1(2765,1711.38) 2765.98,1710.39 2807.32,1710.39 TP7.0 2926.7,1709.41 3187.58,1970.29 C3.1 ; J6.4 3198.46,2118.66 C3.1 ; R27.2 3279.23,1963.35 3205.41,1963.35 C3.1 ; v1(3296.5,1294.06) 3295.51,1293.07 3295.51,1251.73 Q2.1 3294.53,1165.17 3387.05,1072.65 3387.05,1008.75 3419.93,975.87 3622.05,975.87 3731.24,1085.06 3731.24,1282.43 J2.7@3851.97,1403.15
  Bottom Layer w10: v1(2765,1711.38) 2747.2,1693.58 2747.2,1359.1 2784.68,1321.62 3268.94,1321.62 v1(3296.5,1294.06)
"ON/ \O\F\F\_LED": J5.8 Q2.3 | length 193.7
  Top Layer w10: Q2.3 3257.12,1097.25 J5.8
"ON/ \O\F\F\_LED_PWR": J5.7 R5.2 | length 197.7
  Top Layer w10: R5.2 3154.76,1099.61 J5.7
"REV/ \F\W\D\": C5.1 J2.3 J6.2 Q4.1 R29.2 TP3.0 | length 2358
  Top Layer w10: TP3.0 3109.38,1640.51 3439.16,1970.29 C5.1 ; J6.2 3432.09,2137.41 3450.04,2119.46 3450.04,2102.36 ; Q4.1 3631.14,1319.65 3631.14,1861.97 3540.59,1952.53 R29.2 3531.2,1963.35 3456.98,1963.35 C5.1 ; J2.3 3552.76,2102.36 3450.04,2102.36 ; C5.1 3450.04,2102.36
"REV/ \F\W\D\_LED": J5.10 Q4.3 | length 165.7
  Top Layer w10: Q4.3 3527.17,1175.55 3527.17,1027.21 J5.10
"REV/ \F\W\D\_LED_PWR": J5.9 R10.2 | length 169.6
  Top Layer w10: R10.2 3422.48,1046.76 3437.09,1032.16 J5.9
SERVO_OUT_12V: C8.1 D2.1 D2.3 J12.1 R8.2 TP14.0 VR1.2 | length 2281.7
  Top Layer w39.37: R8.2@3187.75,3429.81 3207.05,3429.81 3207.72,3429.13 3330.71,3429.13 3363.03,3396.81 3363.03,3230.27 3339.97,3207.21 3337.29,3207.21 3331.27,3201.2 3331.27,3183.37 3304.29,3156.39 D2.3 D2.1 3569.45,3072.28 TP14.0 4123.27,3085.39 VR1.2 4123.27,3638.39 J12.1
SERVO_PWM: IC2.2 J2.6 TP6.0 | length 2897.1
  Top Layer w10: IC2.2 2915.41,2565.79 3067.93,2413.26 3972.44,2413.26 ; TP6.0 3972.44,2507.87 3972.44,2413.26 ; J2.6 3852.88,1507.21 3852.88,1550.73 3972.44,1670.29 3972.44,2413.26
STEERING_A_IN: J5.3 R3.2 | length 485.5
  Top Layer w10: R3.2 2837.09,533.47 J5.3
STEERING_B_IN: J5.4 R11.2 | length 485.5
  Top Layer w10: J5.4 2937.09,533.39 R11.2
STEERING_ENC_A: J2.4 R3.1 R4.2 TP4.0 | length 2449
  Top Layer w10: R4.2 2739.41,449.57 2752.13,436.85 2752.13,430.95 2763.03,420.04 2798.31,420.04 ; R3.1 2835.87,463.35 2795.43,422.91 2798.31,420.04 ; v1(3087.83,420.04) 2798.31,420.04 ; v1(3087.83,530.28) TP4.0 v1@3685.04,530.28 ; v1(3692.91,1094.49) 3692.91,1547.24 J2.4
  Bottom Layer w10: v1(3087.83,420.04) v1(3087.83,530.28) ; v1(3685.04,531.5) 3604.61,611.93 3604.61,1006.18 v1(3692.91,1094.49)
STEERING_ENC_B: J2.8 R11.1 R26.2 TP8.0 | length 1856
  Top Layer w10: R11.1 2938.23,463.35 2948.98,452.6 2951.8,452.6 2954.83,449.57 R26.2 3121.18,449.57 3138.89,431.85 TP8.0 3152.05,440.94 3893.7,440.94 3893.7,1261.42 J2.8
VIN_5V: C6.1 C9.2 D1.1 IC2.5 J1.1 J3.1 J5.1 J9.1 L1.1 R5.1 R6.1 R10.1 R24.2 TP15.0 U1.1 U1.3 U2.4 U2.5 | length 5467
  Top Layer w10: J3.1 2337.83,2404.76 2473.27,2540.2 IC2.5
  Top Layer w39.37: J5.1 2953.23,1333.43 3069.11,1333.43 ; L1.1 2966.73,2788.1 2990.42,2764.41 3318.03,2764.41 3404.17,2850.55 3712.44,2850.55 TP15.0 3819.05,2743.94 C6.1 4005.31,2759.84 4042.26,2759.84 ; R5.1 3069.11,1333.43 ; R10.1 3336.83,1333.43 3069.11,1333.43 ; 3536.65,2841.3 3561.97,2815.99 R24.2 ; U1.3 4100.41,2685.83 4115.04,2700.45 4115.04,2746.01 4100.41,2760.63 U1.1
  Power w39.37: J9.1 2249.25,2968.03 2249.25,2252.72 ; J3.1 2319.13,2322.6 2249.25,2252.72 ; J5.1 2636.3,1016.5 2338.62,1016.5 J1.1 2249.25,1104.29 2249.25,2252.72
pads on no net: DS1.4 DS1.9 DS1.10 DS1.12 IC1.4 IC1.13 IC1.14 IC3.5 IC3.8 IC3.10 J6.8 J6.9 J6.10 J7.1 J7.2 J7.3 J7.4 J7.5 J7.6 MH1.4 MH2.4 MH3.4 MH4.4 U1.4 U2.6 VR1.1

## Polygon pours and split planes (outlines as drawn)
GND on Top Layer "GND_L01_P006" (solid, remove dead copper, pour order 6): 2072.09,3603.58 2072.09,272.28 ccw(c2377.08,272.28) 2377.09,-32.72 4992.09,-32.72 ccw(c4992.09,272.28) 5297.09,272.28 5297.09,3600.55 ccw(c4988.19,3600.55) 4988.19,3909.45 2377.95,3909.45 ccw(c2377.95,3603.58)
NetD2_2 on Top Layer "NETD2_2_L01_P001" (solid, remove dead copper, pour order 1): 3076.02,3160.2 3076.02,2805.87 3265,2805.87 3265,3136.58 3146.89,3136.58 3146.89,3160.2
VIN_5V on Top Layer "VIN_5V_L01_P000" (solid, remove dead copper, pour order 0): 2233.5,2967.28 2725.63,2967.28 2887.05,2805.87 3052.4,2805.87 3052.4,3238.94 3036.65,3254.69 2965.79,3254.69 2965.79,3191.69 2961.85,3187.76 2233.5,3187.76
GND on Power "GND_L02_P002" (solid, remove dead copper, pour order 2): 2072.09,3603.58 2072.09,272.28 ccw(c2377.08,272.28) 2377.09,-32.72 4992.09,-32.72 ccw(c4992.09,272.28) 5297.09,272.28 5297.09,3600.55 ccw(c4988.19,3600.55) 4988.19,3909.45 2377.95,3909.45 ccw(c2377.95,3603.58)
GND on GND "GND_L03_P008" (solid, remove dead copper, pour order 8): 2071.89,3601.99 2071.89,270.69 ccw(c2376.89,270.69) 2376.89,-34.31 4991.89,-34.31 ccw(c4991.89,270.69) 5296.89,270.69 5296.89,3598.96 ccw(c4987.99,3598.96) 4987.99,3907.85 2377.76,3907.85 ccw(c2377.76,3601.99)
GND on Bottom Layer "GND_L04_P007" (solid, remove dead copper, pour order 7): 2072.09,3603.58 2072.09,272.28 ccw(c2377.08,272.28) 2377.09,-32.72 4992.09,-32.72 ccw(c4992.09,272.28) 5297.09,272.28 5297.09,3600.55 ccw(c4988.19,3600.55) 4988.19,3909.45 2377.95,3909.45 ccw(c2377.95,3603.58)

## Silkscreen, mask and mechanical layers (free items; w line width, h text height)
Top Overlay:
  drawing of 20 lines, arcs and shapes, not listed
  text "BRAKE_LIGHT" at 3300.07,3883.76 h40 r270
  text "SERVO_OUT" at 4351.25,3879.83 h40 r270
  text "SLAP Board - Rev 1.0" at 4626.02,3862.05 h70 r270
  text "Designed by: Soumav Maiti" at 4550.59,3860.99 h30 r270
  text "Intellibrake" at 4769.68,3858.39 h80 r270
  text "GND" at 3959.98,3542.65 h40
  text "+12V" at 4148.95,3542.65 h40
  text "+12V" at 3096.55,3537.5 h40
  text "GND" at 2900.92,3534.78 h40
  text "+5V" at 2524.28,2995.41 h40 r90
  text "SERVO_VOUT" at 3735.37,2958.76 h40 r90
  text "ADJUST" at 3805.02,2958.76 h40 r90
  text "5V_LED" at 3437.86,2946.76 h40 r270
  text "GND" at 2524.28,2802.49 h40 r90
  text "3V3_MCU" at 4346.29,2758.1 h40 r270
  text "SERVO_PWM" at 3655.62,2756.56 h40 r270
  text "5V_IN" at 3742.23,2752.62 h40 r270
  text "12V_SERVO" at 3820.97,2752.62 h40 r270
  text "3V3_LED" at 4521.76,2697.51 h40 r270
  text "PWR_IN_5V" at 2175.29,2685.89 h40
  text "+5V" at 2532.15,2274.94 h40 r90
  text "SERVO_PWM" at 2941.6,2236.22 h19.68 r90
  text "AUTO_SW_GND" at 3043.96,2236.22 h19.68 r90
  text "AUTO_SW_PWR" at 3142.39,2236.22 h19.68 r90
  text "ON_SW_GND" at 3240.81,2236.22 h19.68 r90
  text "ON_SW_PWR" at 3343.18,2236.22 h19.68 r90
  text "REV_SW_GND" at 3457.35,2228.35 h19.68 r90
  text "REV_SW_PWR" at 3555.78,2228.35 h19.68 r90
  text "GND" at 2528.21,2082.02 h40 r90
  text "ACC_PEDAL" at 3939.65,1977.23 h40
  text "BRAKE_PEDAL_PWR" at 2179.23,1973.29 h40
  text "BRAKE_PEDAL" at 3939.65,1881.27 h40
  text "REV_SW" at 3939.65,1780.38 h40
  text "AUTO_SW" at 2853.68,1759.48 h40
  text "ACC" at 2502.06,1706.79 h40
  text "ON_SW" at 2853.68,1689.92 h40
  text "STEERING_ENC_A" at 3943.58,1680.74 h40
  text "REV_SW" at 2853.68,1620.37 h40
  text "AUTO_SW" at 3939.65,1575.66 h40
  text "I2C_SDA" at 2853.68,1550.82 h40
  text "SERVO_PWM" at 3939.65,1482.39 h40
  text "I2C_SCL" at 2853.68,1481.26 h40
  text "BRAKE" at 2506,1419.39 h40
  text "ACC_PEDAL" at 2853.68,1411.71 h40
  text "I2C_SDA" at 4662.9,1390.62 h40
  text "ON_SW" at 3939.65,1382.74 h40
  text "BRAKE_PEDAL" at 2853.68,1342.15 h40
  text "PEDAL_ADC" at 2175.29,1315.81 h40
  text "I2C_SCL" at 4662.9,1288.35 h40
  text "STEERING_ENC_B" at 3939.65,1283.1 h40
  text "3V3_MCU" at 3939.65,1176.99 h40
  text "3V3_MCU" at 4656.24,1176.99 h40
  text "GND" at 4816.19,1089.9 h40
  text "GND" at 3939.65,1082.02 h40
  text "+5V" at 2532.15,944.23 h40 r90
  text "STEERING_ENC_PWR" at 2625.33,940.94 h19.68 r270
  text "STEERING_ENC_GND" at 2727.69,940.94 h19.68 r270
  text "STEERING_ENC_A" at 2826.11,940.94 h19.68 r270
  text "STEERING_ENC_B" at 2928.48,940.94 h19.68 r270
  text "AUTO_LED_PWR" at 3030.84,940.94 h19.68 r270
  text "AUTO_LED_GND" at 3133.2,940.94 h19.68 r270
  text "ON_LED_PWR" at 3223.75,940.94 h19.68 r270
  text "ON_LED_GND" at 3326.11,940.94 h19.68 r270
  text "REV_LED_PWR" at 3428.48,940.94 h19.68 r270
  text "REV_LED_GND" at 3530.84,940.94 h19.68 r270
  text "GND" at 2533.37,757.97 h40 r90
  text "ACC_PEDAL_PWR" at 2159.54,579.59 h40
  text "IO_EXP_INT" at 4597.77,570.5 h40
  text "STEERING_ENC_A" at 3187.1,512.66 h40
  text "ACC_INT_1" at 4597.77,495.7 h40
  text "ACC_INT_2" at 4597.77,424.83 h40
  text "STEERING_ENC_B" at 3191.04,414.24 h40
Bottom Overlay:
  text "+12V" at 3214.47,3616.24 h40
  text "+12V" at 4289.28,3616.24 h40
  text "GND" at 3018.84,3613.52 h40
  text "GND" at 4064.87,3612.3 h40
  text "SERVO_OUT" at 4335.5,3482.38 h40 r270
  text "BRAKE_LIGHT" at 3292.19,3427.26 h40 r270
  text "+5V" at 2462.5,3116.05 h40 r90
  text "GND" at 2458.57,2911.32 h40 r90
  text "PWR_IN_5V" at 2501.87,2685.89 h40
  text "SERVO_PWM" at 2945.54,2429.13 h19.68 r90
  text "AUTO_SW_GND" at 3047.9,2429.13 h19.68 r90
  text "AUTO_SW_PWR" at 3146.33,2429.13 h19.68 r90
  text "ON_SW_GND" at 3244.75,2429.13 h19.68 r90
  text "ON_SW_PWR" at 3347.11,2429.13 h19.68 r90
  text "REV_SW_GND" at 3461.29,2421.26 h19.68 r90
  text "REV_SW_PWR" at 3559.71,2421.26 h19.68 r90
  text "+5V" at 2466.44,2403.45 h40 r90
  text "GND" at 2462.5,2190.85 h40 r90
  text "ACC_PEDAL" at 4286.2,1989.04 h40
  text "BRAKE_PEDAL_PWR" at 2749.91,1981.17 h40
  text "BRAKE_PEDAL" at 4366.17,1893.08 h40
  text "REV_SW" at 4166.24,1792.19 h40
  text "STEERING_ENC_A" at 4483.41,1692.55 h40
  text "ACC" at 2513.68,1659.54 h40
  text "AUTO_SW" at 4206.23,1587.47 h40
  text "SERVO_PWM" at 4286.2,1494.2 h40
  text "BRAKE" at 2588.49,1458.76 h40
  text "ON_SW" at 4126.25,1394.55 h40
  text "STEERING_ENC_GND" at 2748.69,1393.7 h19.68 r90
  text "I2C_SDA" at 4922.82,1386.68 h40
  text "STEERING_ENC_A" at 2847.11,1354.33 h19.68 r90
  text "STEERING_ENC_B" at 2953.41,1354.33 h19.68 r90
  text "PEDAL_ADC" at 2517.62,1319.75 h40
  text "AUTO_LED_PWR" at 3047.9,1314.96 h19.68 r90
  text "AUTO_LED_GND" at 3146.33,1314.96 h19.68 r90
  text "REV_LED_PWR" at 3449.48,1307.09 h19.68 r90
  text "REV_LED_GND" at 3555.78,1307.09 h19.68 r90
  text "STEERING_ENC_B" at 4479.47,1294.91 h40
  text "I2C_SCL" at 4922.82,1284.41 h40
  text "ON_LED_GND" at 3351.05,1283.46 h19.68 r90
  text "ON_LED_PWR" at 3252.63,1275.59 h19.68 r90
  text "STEERING_ENC_PWR" at 2772.31,1255.91 h19.68 r90
  text "3V3_MCU" at 4206.23,1188.81 h40
  text "3V3_MCU" at 4922.82,1173.06 h40
  text "GND" at 4046.28,1093.83 h40
  text "GND" at 4922.82,1085.96 h40
  text "+5V" at 2411.51,958.76 h40 r270
  text "GND" at 2415.45,765.84 h40 r270
  text "ACC_PEDAL_PWR" at 2643.61,658.33 h40